# Altium PCB n21-evt.PcbDoc (part 2 of 3)
Units mm, origin at the board's own origin, x right, y up, seen from the top; angles counter-clockwise.
Board outline 50.8 x 103 mm, 4 copper layers (Top Layer, Mid Layer 3, Mid Layer 4, Bottom Layer), stack 1.58 mm thick; 89 components, 99 nets, 463 pads, 516 vias.
Unrouted connection lines stored in the file: 3.
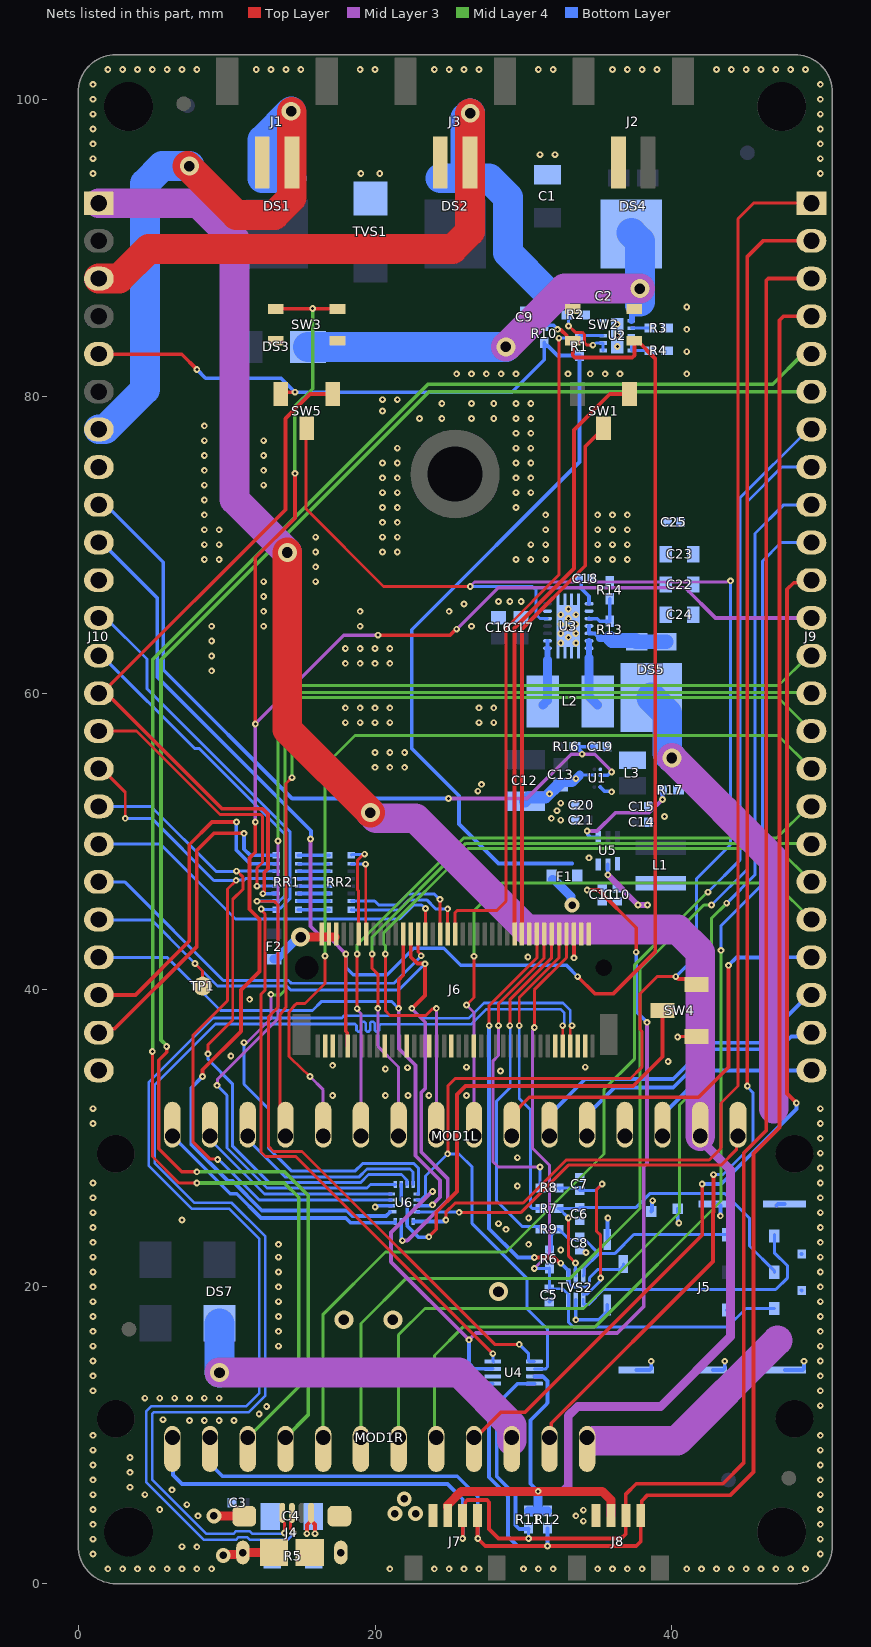
[diagram p4: the nets of this part, all layers, seen from the top]

## Via types
v1: diameter 0.45, hole 0.2, Top Layer to Bottom Layer, tented both sides, 484 vias
v2: diameter 1.27, hole 0.711, Top Layer to Bottom Layer, tented both sides, 25 vias
v3: diameter 1, hole 0.5, Top Layer to Bottom Layer, tented both sides, 6 vias
v4: diameter 1.27, hole 0.71, Top Layer to Bottom Layer, tented both sides, 1 vias

## Nets (pads, with @x,y where several pads share a name; then routed paths per layer and width w, separated by ;. In a path a pad name is that pad's centre, name@x,y a point inside that pad or via, vN(x,y) a via of type N, cw(c..) or ccw(c..) an arc to the next point about the centre after c; other vN are vias at no path point) (continued)
D_N: J4.2 J6.9 | length 85.2
  Top Layer w0.178: J4.2@13.75,4.775 13.75,4.24 13.903,4.087 v1(13.903,3.415) ; v1(32.639,37.592) 32.65,37.581 J6.9@32.65,36.225
  Bottom Layer w0.178: v1(13.903,3.415) 13.851,3.363 13.668,3.363 13.663,3.358 11.741,3.358 11.554,3.545 10.646,3.545 10.459,3.358 8.642,3.358 5,7 5,11.453 5.104,11.557 11.497,11.557 12.598,12.659 12.598,23.409 10.35,25.657 7.85,25.657 5.156,28.351 5.156,33.604 9.257,37.705 18.257,37.705 18.651,37.705 18.758,37.598 18.758,37.292 18.865,37.186 18.956,37.186 19.063,37.292 19.063,37.759 19.169,37.866 19.261,37.866 19.367,37.759 19.367,37.292 19.474,37.186 19.566,37.186 19.672,37.292 19.672,37.759 19.779,37.866 19.87,37.866 19.977,37.759 19.977,37.292 20.084,37.186 20.175,37.186 20.282,37.292 20.282,37.587 20.389,37.694 20.583,37.694 26.495,37.694 27.511,38.71 32.489,38.71 32.753,38.445 32.753,37.78 32.639,37.666 v1(32.639,37.592)
D_P: J4.3 J6.7 | length 85.2
  Top Layer w0.178: J4.3@14.4,4.775 14.4,4.24 14.31,4.15 14.31,3.684 14.503,3.491 v1(14.503,3.444) ; J6.7@33.15,36.225 33.15,37.394 33.274,37.518 v1(33.274,37.592)
  Bottom Layer w0.178: v1(14.503,3.444) 14.503,3.37 14.367,3.235 14.367,3.223 14.095,2.951 11.573,2.951 11.385,3.139 10.815,3.139 10.627,2.951 8.474,2.951 4.594,6.832 4.594,11.621 4.936,11.963 11.328,11.963 12.192,12.827 12.192,23.241 10.182,25.251 7.681,25.251 4.75,28.182 4.75,33.773 9.088,38.111 17.324,38.111 17.497,38.111 17.761,38.111 17.922,38.272 20.022,38.272 ; 20.023,38.271 22.975,38.271 23.146,38.1 26.326,38.1 27.342,39.116 32.657,39.116 33.16,38.613 33.16,37.78 33.274,37.666 v1(33.274,37.592)
DFU_SW: SW4.2 U6.6 U6.14 | length 33.1
  Top Layer w0.25: v1(23.622,23.368) 24.13,23.876 24.13,25.019 25.527,26.416 25.527,32.965 26.09,33.528 37.393,33.528 39.363,35.498 SW4.2@39.363,38.608
  Bottom Layer w0.25: U6.6@21.771,26.899 21.771,25.854 22.171,25.454 U6.14@22.171,24.409 22.171,24.095 22.921,23.345 23.599,23.345 v1(23.622,23.368)
EN_F_BAT: SW4.3 SW5.2 U3.12 U4.6 U6.10 | length 122
  Top Layer w0.2: SW5.2@15.4,77.844 15.367,77.811 15.367,72.39 20.574,67.183 v1(26.416,67.183) ; v1(24.892,28.956) 24.93,28.994 24.93,33.566 25.4,34.036 37.211,34.036 37.973,34.798 37.973,37.211 37.846,37.338 37.846,39.751 38.989,40.894 v1(40.259,40.894)
  Top Layer w0.25: v1(40.259,40.894) 40.42,40.733 41.288,40.733 SW4.3@41.663,40.358
  Mid Layer 3 w0.2: v1(26.416,67.183) 26.708,67.475 43.7,67.475 43.737,67.512 43.894,67.512 v1(43.942,67.56)
  Bottom Layer w0.2: U6.10@22.816,25.854 22.826,25.864 23.105,25.864 23.409,26.168 23.409,27.473 v1(24.892,28.956) 25.654,28.956 26.543,28.067 26.543,24.257 30.226,20.574 30.226,18.542 31.619,17.149 31.619,14.591 31.502,14.474 U4.6@30.742,14.474 ; v1(26.416,67.183) 30.617,67.183 30.861,66.939 30.861,65.278 31.123,65.016 U3.12@31.62,65.016 ; v1(40.259,40.894) 41.656,42.291 41.656,47.498 43.942,49.784 v1(43.942,67.56)
F_3V3: J7.3 J8.3 J10.1 MOD1L.2 R11.2 R12.2 U4.7 | length 150
  Top Layer w0.6: J7.3@24.883,5.151 24.883,5.284 25.823,6.223 v1(30.988,6.223) 35.306,6.223 35.9,5.629 J8.3@35.9,4.589
  Top Layer w2: v2(14.097,69.469) 14.097,57.531 v2(19.685,51.943)
  Mid Layer 3 w0.6: v1(30.988,6.223) 32.669,6.223 33.02,6.574 33.02,11.303 33.655,11.938 39.243,11.938 43.942,16.637 43.942,27.89 41.91,29.922 MOD1L.2@41.91,30.16
  Mid Layer 3 w2: J10.1@1.4,93 8.092,93 10.534,90.558 10.534,73.032 v2(14.097,69.469) ; v2(19.685,51.943) 20.066,51.562 22.733,51.562 30.226,44.069 40.386,44.069 41.91,42.545 MOD1L.2@41.91,30.16
  Bottom Layer w0.25: U4.7@30.742,13.974 30.752,13.964 31.316,13.964 31.619,13.661 31.619,12.188 31.577,12.146 31.577,12.102 30.48,11.005 30.48,6.731 v1(30.988,6.223)
  Bottom Layer w0.6: R11.2@30.353,4.893 30.988,4.893 ; v1(30.988,6.223) 30.988,4.893 ; R12.2@31.623,4.893 30.988,4.893
F_A0: J9.23 MOD1L.5 | length 18.8
  Bottom Layer w0.25: MOD1L.5@34.29,30.16 34.29,31.583 36.137,33.43 40.091,33.43 42.662,36 47.176,36 48.038,36.862 49.142,36.862 J9.23@49.4,37.12
F_A1: J9.22 MOD1L.6 | length 22.4
  Bottom Layer w0.25: MOD1L.6@31.75,30.16 31.75,31.583 34.167,34 40.096,34 42.545,36.449 45.989,36.449 49.2,39.66 J9.22@49.4,39.66
F_A2: J9.21 MOD1L.7 | length 30
  Top Layer w0.25: MOD1L.7@29.21,30.16 29.21,31.583 30.393,32.766 41.783,32.766 43.815,34.798 v1(43.815,41.656)
  Bottom Layer w0.25: v1(43.815,41.656) 44.35,42.191 46.634,42.191 46.643,42.2 J9.21@49.4,42.2
F_A3: J9.20 MOD1L.8 | length 40.1
  Top Layer w0.2: v1(26.162,38.989) 26.67,39.497 v1(26.67,42.269)
  Mid Layer 3 w0.2: v1(26.162,38.989) 26.67,38.481 MOD1L.8@26.67,30.16
  Mid Layer 4 w0.2: v1(26.67,42.269) 26.67,45.339 28.542,47.211 46.929,47.211 J9.20@49.4,44.74
F_A4: J9.19 MOD1L.9 | length 49.8
  Top Layer w0.2: v1(20.701,42.418) 20.701,38.598 21.017,38.282 23.423,38.282 23.85,38.709 24.082,38.709 v1(24.13,38.757)
  Mid Layer 3 w0.2: MOD1L.9@24.13,30.16 v1(24.13,38.757)
  Mid Layer 4 w0.2: v1(20.701,42.418) 20.701,42.976 20.59,43.087 20.59,43.857 26.263,49.53 47.15,49.53 J9.19@49.4,47.28
F_A5: J9.18 MOD1L.10 | length 46.4
  Top Layer w0.2: v1(19.812,42.418) 19.812,41.439 20.193,41.058 v1(20.193,38.757)
  Mid Layer 3 w0.2: v1(20.193,38.757) 20.193,36.212 21.59,34.815 MOD1L.10@21.59,30.16
  Mid Layer 4 w0.2: v1(19.812,42.418) 19.812,43.574 26.118,49.88 49.34,49.88 J9.18@49.4,49.82
F_AREF: J9.24 MOD1L.3 | length 12.7
  Bottom Layer w0.25: MOD1L.3@39.37,30.16 39.37,31.583 42.367,34.58 J9.24@49.4,34.58
F_B0: MOD1L.16 U6.16 | length 17.7
  Top Layer w0.25: MOD1L.16@6.35,30.16 MOD1L.16@6.459,30.269
  Bottom Layer w0.25: MOD1L.16@6.35,30.16 6.35,30.152 6.865,29.637 6.873,29.637 10.243,26.267 10.69,26.267 12.319,24.638 18.034,24.638 18.354,24.318 21.356,24.318 21.371,24.333 U6.16@21.371,24.409
F_B0_SW: J9.12 SW3.3 SW3.4 U6.1 | length 122.2
  Top Layer w0.25: v1(8.382,34.163) 8.382,34.616 10.975,37.209 10.975,40.003 12.213,41.241 12.213,44.768 11.549,45.432 11.549,48.887 11.938,49.276 v1(11.938,51.308) ; v1(11.938,57.912) 11.938,69.113 14.605,71.78 v1(14.605,74.803) ; SW3.4@13.325,85.875 13.337,85.887 15.787,85.887 v1(15.8,85.9) 15.813,85.887 17.462,85.887 SW3.3@17.475,85.875 ; v1(20.2,63.9) 25.051,63.9 v1@25.451,64.3
  Mid Layer 3 w0.25: v1(11.938,51.308) 11.938,57.938 17.9,63.9 v1(20.2,63.9) ; v1(25.5,64.3) 28.3,67.1 40.9,67.1 42.94,65.06 J9.12@49.4,65.06
  Mid Layer 4 w0.25: v1(14.605,74.803) 14.6,74.808 14.6,79.298 15.8,80.498 v1(15.8,85.9) ; v1@25.451,64.3 v1(25.5,64.3) ; J9.12@49.317,65.143 J9.12@49.4,65.06
  Bottom Layer w0.25: v1(8.382,34.163) 7.62,33.401 7.62,29.591 10.089,27.122 10.4,27.122 12.377,25.146 18.092,25.146 18.473,24.765 20.743,24.765 U6.1@21.02,25.042
F_BAT: DS5.3 MOD1R.1 | length 46.3
  Mid Layer 3 w2: MOD1R.1@34.74,9.628 40.362,9.628 47.117,16.383 ; v2(40.005,55.626) 46.863,48.768 46.863,32.004
  Bottom Layer w2: DS5.3@38.608,59.706 39.683,58.631 39.683,55.948 v2(40.005,55.626)
F_D5: J9.5 MOD1R.10 | length 115.1
  Top Layer w0.2: v1(5.004,35.848) 5.004,28.778 6.782,27 v1(8,27)
  Mid Layer 4 w0.25: v1(5.004,35.848) 5.035,35.879 5.035,62.259 23.575,80.8 46.795,80.8 48.835,82.84 J9.5@49.4,82.84 ; v1(8,27) 13.894,27 14.859,26.035 14.859,13.269 MOD1R.10@11.43,9.84
  Bottom Layer w0.25: MOD1R.10@11.43,9.84 MOD1R.10@11.531,9.84
F_D6: J9.6 MOD1R.9 | length 113.1
  Top Layer w0.2: J9.6@49.2,80.3 J9.6@49.4,80.3
  Top Layer w0.25: v1(5.969,36.195) 5.969,35.798 5.435,35.264 5.435,29.294 6.979,27.75 v1(8,27.75)
  Mid Layer 4 w0.25: v1(5.969,36.195) 5.969,36.249 5.588,36.63 5.588,62.247 23.641,80.3 J9.6@49.4,80.3 ; v1(8,27.75) 13.906,27.75 15.494,26.162 15.494,11.364 MOD1R.9@13.97,9.84
F_D9: J9.7 MOD1R.8 | length 86.6
  Top Layer w0.2: J9.7@49.2,77.76 J9.7@49.4,77.76
  Mid Layer 4 w0.2: MOD1R.8@16.51,9.84 16.51,18.161 20.701,22.352 28.829,22.352 35.433,28.956 35.433,33.304 37.465,35.336 37.465,41.656 42.4,46.591 v1(42.436,46.591)
  Bottom Layer w0.2: v1(42.436,46.591) 42.436,46.597 44.577,48.738 44.577,73.137 49.2,77.76 J9.7@49.4,77.76
F_D10: J9.8 MOD1R.7 | length 85.9
  Mid Layer 4 w0.2: MOD1R.7@19.05,9.84 19.05,17.526 22.098,20.574 33.147,20.574 37.846,25.273 37.846,41.415 42.147,45.716 42.668,45.716 v1(42.672,45.72)
  Bottom Layer w0.2: v1(42.672,45.72) 45.085,48.133 45.085,72.898 47.407,75.22 J9.8@49.4,75.22
F_D11: J9.9 MOD1R.6 | length 81.7
  Mid Layer 4 w0.2: MOD1R.6@21.59,9.84 21.59,16.764 23.368,18.542 34.042,18.542 40.509,25.009 40.509,32.253 42.673,34.417 42.673,44.832 v1(43.688,45.847)
  Bottom Layer w0.2: v1(43.688,45.847) 45.593,47.752 45.593,70.739 47.534,72.68 J9.9@49.4,72.68
F_D12: J9.10 MOD1R.5 | length 77.3
  Mid Layer 4 w0.2: MOD1R.5@24.13,9.84 24.003,9.967 24.003,15.367 25.941,17.305 34.831,17.305 43.307,25.781 v1(43.307,42.672)
  Bottom Layer w0.2: v1(43.307,42.672) 43.307,44.323 46.101,47.117 46.101,68.886 47.355,70.14 J9.10@49.4,70.14
F_D13: J9.11 MOD1R.4 | length 70.2
  Top Layer w0.25: MOD1R.4@26.67,9.84 26.771,9.84 28.488,11.557 30.099,11.557 42.037,23.495 v1(42.037,26.924) ; v1(48.387,32.385) 47.752,33.02 47.752,66.984 48.203,67.435 49.235,67.435 J9.11@49.4,67.6
  Mid Layer 4 w0.25: MOD1R.4@26.67,9.84 MOD1R.4@26.771,9.84
  Bottom Layer w0.25: v1(42.037,26.924) 43.329,26.924 48.387,31.982 v1(48.387,32.385)
F_EN: J9.2 MOD1R.2 | length 90.7
  Top Layer w0.2: MOD1R.2@31.75,9.84 MOD1R.2@31.879,9.969
  Top Layer w0.25: MOD1R.2@31.879,9.969 31.879,10.811 42.767,21.699 42.767,24.987 42.799,25.019 v1(42.799,27.559) ; v1(45.085,33.528) 45.085,89.408 46.137,90.46 J9.2@49.4,90.46
  Bottom Layer w0.2: MOD1R.2@31.75,9.84 MOD1R.2@31.856,9.946 ; v1(42.799,27.559) 43.434,27.559 45.466,29.591 45.466,33.079 45.085,33.46 v1(45.085,33.528)
F_MISO: J9.15 MOD1L.13 | length 65.8
  Top Layer w0.2: MOD1L.13@13.97,30.16 13.97,30.176 13.954,30.176 13.608,30.901 13.589,30.942 13.589,38.282 13.631,38.336 14,38.81 14,53.9 14.4,54.3 v1(14.412,54.3)
  Mid Layer 4 w0.2: MOD1L.13@13.97,30.16 MOD1L.13@14.101,30.291 ; v1(14.412,54.3) 14.4,54.312 14.4,59.2 14.9,59.7 47.14,59.7 J9.15@49.4,57.44
F_MOSI: J9.16 MOD1L.12 | length 61.8
  Top Layer w0.2: v1(15.621,34.163) 14.346,35.375 14.2,35.521 14.2,38.479 14.234,38.522 14.59,38.974 14.707,39.091 15.291,39.091 16.637,40.436 v1(16.637,42.291)
  Mid Layer 3 w0.2: v1(15.621,34.163) 16.51,33.274 MOD1L.12@16.51,30.16
  Mid Layer 4 w0.2: v1(16.637,42.291) 16.637,55.127 18.656,57.146 47.154,57.146 J9.16@49.4,54.9
F_NRST: MOD1L.1 U6.12 | length 24.3
  Top Layer w0.2: v1(25.672,25.019) 29.845,25.019 33.02,28.194 43.307,28.194 44.341,29.228 44.341,30.051 MOD1L.1@44.45,30.16
  Bottom Layer w0.2: U6.12@22.816,25.054 22.818,25.052 25.639,25.052 v1(25.672,25.019)
F_NRST_SW: J9.1 U6.13 | length 91.5
  Top Layer w0.2: v1(24.772,24.497) 24.772,25.026 25.4,25.654 29.985,25.654 32.875,28.544 42.514,28.544 43.307,29.337 43.307,32.385 44.45,33.528 44.45,91.948 45.502,93 J9.1@49.4,93
  Bottom Layer w0.25: U6.13@22.586,24.397 24.618,24.397 24.718,24.497 v1(24.772,24.497)
F_RX: MOD1L.14 U6.8 | length 13.6
  Bottom Layer w0.2: MOD1L.14@11.43,30.16 11.43,29.922 13.963,27.389 18.905,27.389 19.456,27.94 22.352,27.94 22.561,27.731 22.561,26.909 U6.8@22.571,26.899
F_RX_SW: J9.14 U6.9 | length 81.2
  Mid Layer 3 w0.2: v1(11.176,36.449) 11.224,36.497 11.41,36.497 12.987,38.074 12.987,39.696 v1(12.983,39.701)
  Mid Layer 4 w0.2: v1(12.983,39.701) 13.024,39.659 13.624,39.659 13.937,39.972 13.937,59.615 14.372,60.05 J9.14@49.33,60.05
  Bottom Layer w0.2: v1(11.176,36.449) 11.176,33.655 12.827,32.004 12.827,29.337 14.351,27.813 18.669,27.813 19.171,28.315 22.61,28.315 22.931,27.994 22.931,26.264 22.921,26.254 U6.9@22.816,26.254
F_SCK: J9.17 MOD1L.11 | length 47.5
  Top Layer w0.2: v1(18.796,38.736) v1(18.796,42.418)
  Mid Layer 3 w0.2: v1(18.796,38.736) 18.796,38.668 19.05,38.414 MOD1L.11@19.05,30.16
  Mid Layer 4 w0.2: v1(18.796,42.418) 18.796,43.053 25.973,50.23 47.07,50.23 49.2,52.36 J9.17@49.4,52.36
F_SCL: J7.1 J8.1 J9.4 MOD1R.11 R12.1 U4.1 | length 143.8
  Top Layer w0.25: J7.1@26.9,4.589 26.9,3.072 v1(26.924,3.048) 27.432,2.54 v1(31.623,2.54) 37.592,2.54 37.9,2.848 37.9,4.572 37.978,4.65 37.978,5.593 38.354,5.969 43.942,5.969 45.5,7.527 45.5,28.99 47.244,30.734 47.244,85.109 47.515,85.38 J9.4@49.4,85.38
  Bottom Layer w0.25: MOD1R.11@8.489,10.241 8.497,10.241 8.89,9.848 MOD1R.11@8.89,9.84 8.89,8.078 9.729,7.239 25.541,7.239 26.924,5.856 v1(26.924,3.048) ; U4.1@27.932,13.474 27.696,13.474 27.686,13.464 27.686,7.165 28.956,5.895 28.956,3.175 29.591,2.54 v1(31.623,2.54) R12.1@31.623,3.743
F_SDA: J7.2 J8.2 J9.3 MOD1R.12 R11.1 U4.8 | length 149.4
  Top Layer w0.25: v1(25.908,3.048) 25.904,3.052 25.904,4.585 J7.2@25.9,4.589 26.075,4.764 26.075,5.493 26.221,5.639 27.54,5.639 27.686,5.493 27.686,3.683 28.321,3.048 v1(30.353,3.048) 36.576,3.048 36.9,3.372 J8.2@36.9,4.589 36.9,6.039 37.592,6.731 43.434,6.731 44.831,8.128 44.831,28.996 46.347,30.512 46.347,87.774 46.493,87.92 J9.3@49.4,87.92
  Bottom Layer w0.2: v1(30.353,3.048) R11.1@30.353,3.743
  Bottom Layer w0.25: MOD1R.12@6.35,9.84 6.398,9.792 6.398,7.318 7.004,6.712 24.892,6.712 25.908,5.696 v1(25.908,3.048) ; R11.1@30.338,3.683 29.718,3.683 29.464,3.937 29.464,5.953 28.194,7.223 28.194,12.065 29.603,13.474 U4.8@30.742,13.474
F_TX: MOD1L.15 U6.4 | length 14
  Bottom Layer w0.2: MOD1L.15@8.89,30.16 8.89,29.922 12.558,26.254 U6.4@21.126,26.254
F_TX_SW: J9.13 U6.5 | length 81.9
  Mid Layer 3 w0.2: v1(9.356,33.575) 9.404,33.623 9.404,33.996 13.462,38.054 v1(13.462,50.038)
  Mid Layer 4 w0.2: v1(13.462,50.038) 13.462,59.635 14.327,60.5 47.18,60.5 49.2,62.52 J9.13@49.4,62.52
  Bottom Layer w0.2: v1(9.356,33.575) 10.033,32.898 10.033,29.35 12.719,26.664 19.453,26.664 19.688,26.899 U6.5@21.371,26.899
F_VUSB: DS7.1 MOD1R.3 | length 25.5
  Mid Layer 3 w2: v2(9.525,14.224) 25.654,14.224 29.21,10.668 MOD1R.3@29.21,9.628
  Bottom Layer w1: MOD1R.3@29.191,9.859 MOD1R.3@29.21,9.84
  Bottom Layer w2: v2(9.525,14.224) DS7.1@9.525,17.535
GND: C1.2 C2.1 C3.2 C4.2 C5.1 C6.1 C7.1 C8.1 C9.1 C10.2 C11.1 C12.1 C13.1 C14.1 C15.1 C16.1 C17.1 C18.1 C19.2 C20.1 C21.2 C22.2 C23.2 C24.2 C25.1 J1.1 J2.1 J3.1 J4.5 J5.5 J5.8 J5.9 J5.10 J5.11 J5.12 J5.14 J5.15 J5.16 J5.17 J5.18 J5.19 J6.3 J6.5 J6.6 J6.11 J6.18 J6.33 J6.39 J6.45 J6.51 J6.57 J6.71 J6.73 J7.4 J8.4 J10.8 J10.11 J10.24 MOD1L.4 R3.1 R4.1 R5.2 R14.1 R17.1 SW2.3 SW2.4 SW3.1 SW3.2 SW4.1 TVS1.2 TVS2.2 U1.B2 U1.D1 U2.3 U2.11 U3.2 U3.13 U3.15 U4.2 U5.3 U6.2 | length 27.5
  Top Layer w0.2: v1(40.386,36.83) 40.414,36.858 SW4.1@41.663,36.858
  Top Layer w0.25: v1(15.405,3.375) 15.416,3.385 15.416,3.975 J4.5@15.7,4.259 ; J4.5@15.724,4.799 J4.5@15.7,4.775 J4.5@15.7,4.259 ; v1(15.964,3.375) 15.964,3.996 J4.5@15.7,4.259 ; v3@21.971,5.603 v3(21.971,5.715) ; v3(22.733,4.728) v3@22.733,4.841 ; v1(33.401,42.164) J6.6@33.4,43.775
  Bottom Layer w0.2: 33.792,54.473 33.801,54.483 U1.B2@34.798,54.483
  Bottom Layer w0.25: v1(20.012,25.379) 20.066,25.379 20.141,25.454 U6.2@21.126,25.454 ; C5.1@31.75,18.991 C5.1@31.925,19.166 ; TVS2.2@33.528,19.134 v1(33.528,17.78) 35.083,17.78 35.508,18.205 35.525,18.205 35.65,18.33 J5.14@35.65,18.78 ; U1.D1@35.179,53.664 35.465,53.378 35.903,53.378 v1(35.941,53.34) ; J5.12@35.65,23.18 35.669,23.199 35.669,24.62 v1(35.687,24.638) ; J5.15@37.6,14.4 38.508,14.4 38.608,14.5 v1(38.608,14.986) ; J5.11@38.6,25.075 38.662,25.137 38.662,25.762 v1(38.7,25.8) ; J5.10@40.4,25.25 40.386,25.236 40.386,24.438 40.471,24.353 v1(40.471,24.299) ; J5.16@42.75,14.4 43.461,14.4 43.561,14.5 v1(43.561,14.986) ; J5.9@42.75,25.575 43.167,25.575 43.267,25.475 v1(43.267,24.779) ; J5.5@43.705,18.415 J5.5@43.73,18.44 ; J5.8@47.047,25.475 47.147,25.575 J5.8@47.6,25.575 ; J5.17@47.6,14.4 48.795,14.4 48.895,14.5 v1(48.895,14.986) ; J5.18@48.737,19.773 J5.18@48.75,19.76 ; J5.19@48.738,22.213 J5.19@48.75,22.2
  Bottom Layer w0.6: C13.1@32.512,53.808 32.662,53.958 33.276,53.958 33.792,54.473
  Bottom Layer w0.8: C12.1@30.099,52.702 30.349,52.952 31.479,52.952 32.462,53.935 C13.1@32.512,53.935
  other v1: 2,1 3,1 4,1 5,1 6,1 7,1 8,1 9,1 21,1 24,1 25,1 26,1 27,1 30,1 31,1 32,1 35,1 36,1 37,1 38,1 41,1 42,1 43,1 44,1 45,1 46,1 47,1 48,1 49,1 1,2 50,2 7,2.5 8,2.487 1,3 50,3 1,4 50,4 34.03,4.214 8.078,4.578 33.528,4.572 34.036,4.953 1,5 5.5,5 50,5 7.328,5.328 1,6 4.5,6 50,6 6.328,6.328 3.5,6.5 1,7 50,7 3.5,7.5 1,8 50,8 3.5,8.5 1,9 50,9 1,10 50,10 7.5,11 8.5,11 9.5,11 10.5,11 5.715,11.049 12.192,11.43 12.7,11.938 50,12 4.5,12.5 5.5,12.5 6.5,12.5 7.5,12.5 8.5,12.5 9.5,12.5 1,13 50,13 1,14 50,14 1,15 50,15 1,16 13.5,16 50,16 1,17 13.5,17 50,17 1,18 13.5,18 50,18 1,19 13.5,19 50,19 1,20 13.5,20 50,20 1,21 13.5,21 50,21 1,22 13.5,22 50,22 34.208,22.307 32.512,22.479 13.5,22.86 30.353,22.86 1,23 50,23 28.829,23.876 1,24 50,24 28.321,24.257 7,24.5 30.353,24.638 1,25 50,25 1,26 50,26 29.591,26.797 1,27 50,27 50,28 29.591,28.702 50,29 50,30 1,31 50,31 1,32 50,32 17.145,32.893 20.701,32.893 22.225,32.893 23.625,32.893 26.162,32.893 28.448,34.544 20.701,34.671 22.189,34.762 26.162,34.798 34.163,34.798 17.145,34.925 39.751,35.179 10.292,35.555 11.557,39.37 30.297,42.22 34.418,48.895 32.512,51.435 31.877,51.562 39.497,51.689 32.258,52.07 32.512,52.578 31.75,53.213 26.924,53.392 27.178,53.848 33.528,54.229 20,55 21,55 22,55 20,56 21,56 22,56 18,58 19,58 20,58 21,58 27,58 28,58 18,59 19,59 20,59 21,59 27,59 28,59 9,61.5 18,62 19,62 20,62 21,62 9,62.5 18,63 19,63 20,63 21,63 32.512,63.373 33.528,63.373 9,63.5 33.02,63.754 32.512,64.008 33.528,64.008 33.02,64.389 9,64.5 12.5,64.5 19,64.5 26.5,64.5 32.512,64.643 33.528,64.643 33.02,65.024 32.512,65.278 33.528,65.278 12.5,65.5 19,65.5 25,65.5 33.02,65.659 26,66 28.321,66.167 29.083,66.167 29.845,66.167 12.5,66.5 12.5,67.5 16,67.5 16,68.5 8.5,69 9.5,69 29.5,69 30.5,69 31.5,69 35,69 36,69 37,69 16,69.5 20.5,69.5 21.5,69.5 8.5,70 9.5,70 30.5,70 31.5,70 35,70 36,70 37,70 16,70.5 20.5,70.5 21.5,70.5 8.5,71 9.5,71 31.5,71 35,71 36,71 37,71 20.5,71.5 21.5,71.5 8.5,72 31.5,72 35,72 36,72 37,72 20.5,72.5 21.5,72.5 29.5,72.5 8.5,73 20.5,73.5 21.5,73.5 29.5,73.5 30.5,73.5 8.5,74 12.5,74 20.5,74.5 21.5,74.5 29.5,74.5 30.5,74.5 8.5,75 12.5,75 20.5,75.5 21.5,75.5 29.5,75.5 30.5,75.5 8.5,76 12.5,76 21.5,76.5 29.5,76.5 30.5,76.5 8.5,77 12.5,77 29.5,77.5 30.5,77.5 8.5,78 23,78.5 24.5,78.5 26.5,78.5 28,78.5 29.5,78.5 30.5,78.5 20.5,79 24.5,79.5 26.5,79.5 28,79.5 29.5,79.5 30.5,79.5 20.5,79.764 21.5,79.764 25.5,81.5 26.5,81.5 27.5,81.5 28.5,81.5 29.5,81.5 33,81.5 34.5,81.5 35.5,81.5 36.5,81.5 41,81.5 41,83 36.322,83.34 36.322,84.074 41,84.5 36.322,84.836 41,86 1,95 19.05,94.996 20.32,94.996 50,95 1,96 50,96 31.115,96.266 32.131,96.266 1,97 50,97 1,98 50,98 1,99 50,99 1,100 50,100 1,101 50,101 2,102 3,102 4,102 5,102 6,102 7,102 8,102 12,102 13,102 14,102 15,102 19,102 20,102 24,102 25,102 26,102 27,102 31,102 32,102 36,102 37,102 38,102 39,102 43,102 44,102 45,102 46,102 47,102 48,102 49,102
  other v2: 17.907,17.78 21.209,17.78 28.321,19.68
  other v3: 21.336,4.728
N_ATTN: J10.14 RR1.3 SW5.1 | length 48.9
  Top Layer w0.25: J10.14@1.4,59.98 J10.14@1.6,59.98 ; v1(12.446,46.482) 12.446,46.536 12.549,46.639 12.549,47.924 12.79,48.164 12.79,51.854 12.447,52.197 9.703,52.197 1.92,59.98 J10.14@1.6,59.98 ; SW5.1@17.15,80.144 15.628,80.144 13.97,78.486 13.97,72.35 J10.14@1.6,59.98
  Bottom Layer w0.25: J10.14@1.4,59.98 J10.14@1.6,59.98 ; v1(12.446,46.482) 13.046,46.482 13.058,46.494 RR1.3@13.347,46.494
N_AUX1: J6.46 J10.18 | length 26.3
  Top Layer w0.2: v1(23.397,45.48) 23.398,45.479 23.398,43.777 J6.46@23.4,43.775
  Bottom Layer w0.2: J10.18@1.4,49.82 5.552,49.82 10.596,44.776 21.662,44.776 22.606,45.72 23.146,45.72 23.386,45.48 v1(23.397,45.48)
N_AUX2: J6.48 J10.19 | length 26.9
  Top Layer w0.2: J6.48@22.9,43.775 22.9,42.573 23.109,42.364 v1(23.109,42.302)
  Bottom Layer w0.2: J10.19@1.4,47.28 3.139,47.28 9.779,40.64 14.174,40.64 14.364,40.45 21.273,40.45 23.109,42.286 v1(23.109,42.302)
N_AUX3: J6.50 J10.20 TP1.1 U6.15 | length 52.2
  Top Layer w0.2: J10.20@1.4,44.74 J10.20@1.418,44.722 ; v1(7.874,41.783) 8.382,41.275 TP1.1@8.382,40.259
  Top Layer w0.25: J6.50@22.4,43.775 22.4,42.243 22.857,41.786 23.365,41.786 23.368,41.783 23.368,39.624 22.501,38.757 v1(22.479,38.757)
  Mid Layer 3 w0.25: v1(21.844,23.114) 21.855,23.125 22.181,23.125 24.892,25.836 24.892,27.305 23.125,29.072 23.125,33.103 23.387,33.365 23.387,37.827 22.479,38.735 v1(22.479,38.757)
  Bottom Layer w0.2: J10.20@1.4,44.74 1.436,44.704 4.953,44.704 7.399,42.258 9.398,40.259 14.06,40.259 14.314,40.005 21.612,40.005 v1(23.368,41.761)
  Bottom Layer w0.25: U6.15@21.771,24.409 21.771,23.241 21.844,23.168 v1(21.844,23.114)
N_AUX4: J6.52 J10.21 U6.11 | length 43
  Top Layer w0.25: v1(21.59,38.757) 21.59,40.672 21.9,40.982 J6.52@21.9,43.775
  Mid Layer 3 w0.25: v1(21.59,38.757) 21.59,36.068 22.725,34.933 22.725,28.837 24.384,27.178 24.384,26.035 v1(23.876,25.527)
  Bottom Layer w0.2: J10.21@1.4,42.2 5.995,42.2 9.587,38.608 15.784,38.608 16.408,39.232 21.115,39.232 v1(21.59,38.757)
  Bottom Layer w0.25: U6.11@22.816,25.454 23.749,25.454 23.822,25.527 v1(23.876,25.527)
N_AUX5: J6.38 R1.1 U2.8 | length 47.6
  Top Layer w0.2: J6.38@25.4,43.775 25.4,45.222 25.517,45.339 28.185,45.339 28.829,45.983 28.829,64.389 32.385,67.945 v1(32.385,83.906)
  Bottom Layer w0.2: v1(32.385,83.906) 33.614,83.906 33.782,84.074 U2.8@35.372,84.074
N_AUX_EN: J10.15 RR1.4 | length 19.6
  Top Layer w0.2: J10.15@1.4,57.44 3.93,57.44 9.554,51.816 12.297,51.816 12.415,51.699 12.415,48.591 12.049,48.226 v1(12.049,46.986)
  Bottom Layer w0.2: v1(12.049,46.986) 12.053,46.99 13.343,46.99 RR1.4@13.347,46.994
N_AUX_RX: J10.16 RR1.5 U6.3 | length 50.1
  Top Layer w0.2: J10.16@1.479,54.821 J10.16@1.4,54.9 1.6,54.9 3.175,53.325 v1(3.175,51.562) ; v1(9.398,28.575) 9.35,28.623 8.876,28.623 7.726,29.772 7.726,36.936 10.068,39.278 10.068,46.793 10.646,47.371 v1(10.646,47.387)
  Bottom Layer w0.2: v1(3.175,51.562) 4.953,51.562 9.144,47.371 10.63,47.371 v1(10.646,47.387) ; v1(9.398,28.575) 9.466,28.575 9.591,28.45 9.603,28.45 12.199,25.854 U6.3@21.126,25.854 ; v1@10.671,47.394 11.171,47.394 11.271,47.494 RR1.5@13.347,47.494
N_AUX_TX: J10.17 RR1.6 U6.7 | length 47.6
  Top Layer w0.2: v1(8.754,35.696) 8.753,35.697 8.753,36.312 10.418,37.977 10.418,46.105 11.121,46.808 11.121,47.584 10.699,48.006 v1(10.668,48.006)
  Bottom Layer w0.2: J10.17@1.4,52.36 4.917,52.36 9.283,47.994 10.656,47.994 v1(10.668,48.006) 10.674,48 13.341,48 RR1.6@13.347,47.994 ; v1(8.754,35.696) 8.763,35.687 8.763,35.306 10.414,33.655 10.414,29.464 12.839,27.039 19.05,27.039 19.57,27.559 21.79,27.559 22.161,27.188 22.161,26.909 U6.7@22.171,26.899
N_EN: C19.1 J10.9 R16.1 U1.B1 | length 51.6
  Top Layer w0.25: v1(24.95,52.892) v1@24.988,52.854
  Mid Layer 3 w0.25: v1(24.95,52.892) 30.226,52.892 33.214,55.88 v1@33.976,55.88 ; v1@34.006,55.88 v1@33.976,55.88 ; v1@35.941,54.688 35.941,54.737 34.798,55.88 v1@33.976,55.88
  Bottom Layer w0.25: J10.9@1.4,72.68 1.869,72.68 5.734,68.815 5.734,61.576 14.418,52.892 v1(24.95,52.892) ; R16.1@33.468,56.388 R16.1@33.543,56.388 ; v1@33.976,55.88 33.938,55.918 33.938,55.993 R16.1@33.543,56.388 ; C19.1@34.739,56.388 R16.1@33.543,56.388 ; U1.B1@35.179,54.464 35.676,54.464 35.9,54.688 v1@35.941,54.688
  other v1: 35.941,54.686 33.96,55.88
N_NRST: C9.2 J6.67 J10.10 R10.1 SW2.1 SW2.2 | length 118.3
  Top Layer w0.25: v1(18.034,42.418) 18.034,37.211 18.125,37.12 18.125,36.25 J6.67@18.15,36.225 ; v1(32.299,84.5) 32.337,84.462 32.537,84.462 32.925,84.073 32.925,83.925 33.125,83.725 SW2.2@33.325,83.725 33.325,82.746 33.471,82.6 37.329,82.6 37.475,82.746 SW2.1@37.475,83.725 37.675,83.725 38.87,82.53 38.87,42.553 36.068,39.751 34.798,39.751 v1(33.655,40.894)
  Mid Layer 3 w0.25: v1(15.654,50.165) 15.654,44.29 16.571,43.373 17.079,43.373 v1(18.034,42.418)
  Bottom Layer w0.25: J10.10@1.4,70.14 1.6,70.14 5.334,66.406 5.334,61.087 15.692,50.729 15.692,50.203 v1(15.654,50.165) ; v1(18.034,42.418) 18.034,41.529 18.542,41.021 20.828,41.021 22.609,42.802 24.635,42.802 25.781,41.656 32.893,41.656 v1(33.655,40.894) ; C9.2@30.12,84.88 C9.2@30.1,84.86 31.315,84.86 R10.1@31.4,84.775 ; R10.1@31.425,84.8 R10.1@31.4,84.775 ; v1(32.299,84.5) v1(32.299,84.5) 32.025,84.775 R10.1@31.4,84.775
N_RX: J10.22 RR1.7 | length 22.9
  Top Layer w0.25: J10.22@1.4,39.66 3.86,39.66 7.493,43.293 7.493,49.784 9.017,51.308 v1(10.668,51.308)
  Bottom Layer w0.25: v1(10.668,51.308) 10.646,51.286 10.646,49.425 11.577,48.494 RR1.7@13.347,48.494
N_SCL: J10.12 RR1.1 U4.4 | length 65.2
  Top Layer w0.2: v1(12.337,45.448) 12.337,45.38 12.588,45.129 12.588,39.98 12.319,39.711 12.319,29.083 12.63,28.772 14.662,28.772 14.721,28.713 v1(27.94,15.494)
  Bottom Layer w0.2: J10.12@1.4,65.06 1.869,65.06 4.638,62.291 4.638,60.282 14.287,50.634 14.287,46.17 13.611,45.494 13.434,45.494 RR1.1@13.347,45.407 13.326,45.427 12.358,45.427 v1(12.337,45.448) ; v1(27.94,15.494) 27.94,14.974 U4.4@27.975,14.939
N_SDA: J10.13 RR1.2 U4.5 | length 65.9
  Top Layer w0.2: v1(12.049,45.974) 13.218,45.974 13.462,45.73 13.462,38.836 12.827,38.201 12.827,29.464 13.169,29.122 15.074,29.122 28.067,16.129 v1(29.718,16.129)
  Bottom Layer w0.2: J10.13@1.4,62.52 1.6,62.52 7.844,56.276 8.15,56.276 13.937,50.489 13.937,46.355 13.601,46.019 13.372,46.019 13.337,45.984 12.059,45.984 v1(12.049,45.974) ; v1(29.718,16.129) 30.353,15.494 30.353,15.009 30.388,14.974 U4.5@30.742,14.974
N_TX: J10.23 RR1.8 | length 22.5
  Top Layer w0.25: J10.23@1.4,37.12 1.658,37.378 2.453,37.378 8.001,42.926 8.001,49.403 9.144,50.546 v1(11.176,50.546)
  Bottom Layer w0.25: v1(11.176,50.546) 11.176,49.482 11.576,49.081 RR1.8@13.347,49.081
N_VIO: C10.1 C11.2 F1.1 J10.5 R1.2 R10.2 SW5.3 U4.3 U5.1 | length 142.8
  Top Layer w0.25: J10.5@1.4,82.84 1.418,82.822 6.978,82.822 v1(8,81.8) ; SW5.3@13.65,80.144 13.77,80.264 v1(14.605,80.264) ; v1(34.29,46.736) 35.052,46.736 37.592,44.196 v1(37.592,42.545)
  Mid Layer 3 w0.25: v1(23.884,26.416) 23.837,26.416 21.082,23.661 21.082,21.68 v1(26.334,16.428) 26.797,16.891 36.322,16.891 38.105,18.674 38.105,28.113 38.321,28.329 v1(38.321,37.822)
  Bottom Layer w0.25: v1(8,81.8) 8,81.789 8.589,81.2 13.669,81.2 v1(14.605,80.264) 29.21,80.264 31.4,82.454 R10.2@31.4,83.55 ; v1(26.334,16.428) 26.334,14.833 26.689,14.478 U4.3@27.932,14.478 ; R10.2@31.4,83.625 R10.2@31.4,83.55 ; 33.274,48.514 28.321,48.514 25.654,51.181 25.654,53.086 22.479,56.261 22.479,64.262 33.782,75.565 R1.2@33.782,82.737 32.288,82.737 31.65,83.375 31.575,83.375 R10.2@31.4,83.55 ; v1(37.592,42.545) 37.592,38.551 v1(38.321,37.822)
NetC4_1: C4.1 J4.S R5.1 | length 5.6
  Top Layer w0.6: v3(9.144,4.572) 9.155,4.561 11.189,4.561 J4.S@11.2,4.55 ; v3(9.779,1.905) 9.856,1.982 10.982,1.982 J4.S@11.1,2.1 J4.S@13.2,2.1
NetC6_2: C6.2 J5.2 R7.2 TVS2.5 | length 23.3
  Top Layer w0.2: v1(33.02,24.638) 33.02,22.098 v1(33.51,21.608)
  Bottom Layer w0.2: R7.2@32.325,25.273 R7.2@32.4,25.273 ; v1(33.02,24.638) 33.02,24.653 R7.2@32.4,25.273 ; v1(33.51,21.608) 33.519,21.599 33.519,20.753 TVS2.5@33.528,20.744 ; J5.2@46.9,20.98 46.9,21.08 45.227,22.753 45.227,24.627 43.579,26.275 38.503,26.275 37.56,25.332 C6.2@33.782,25.332 33.723,25.273 R7.2@32.4,25.273
NetC7_2: C7.2 J5.3 R8.2 TVS2.1 | length 29.8
  Top Layer w0.2: v1(35.2,20.6) 35.2,23.468 34.925,23.743 34.925,26.543 v1(35.306,26.924)
  Bottom Layer w0.2: R8.2@32.443,26.552 R8.2@32.325,26.67 33.596,26.67 C7.2@33.782,26.484 34.866,26.484 v1(35.306,26.924) ; TVS2.1@34.028,19.134 34.028,18.846 34.078,18.796 34.362,18.796 35.378,19.812 46.99,19.812 47.796,20.618 47.796,21.396 46.9,22.292 J5.3@46.9,23.42 J5.3@46.9,23.52 ; TVS2.1@34.028,19.479 34.078,19.529 34.307,19.529 35.152,20.375 35.152,20.552 v1(35.2,20.6)
NetC8_2: C8.2 J5.7 R6.1 R9.2 TVS2.6 | length 16.3
  Bottom Layer w0.2: R9.2@32.325,23.876 32.4,23.876 33.103,23.173 C8.2@33.782,23.173 ; C8.2@33.738,23.241 33.798,23.182 34.127,23.182 35.079,22.23 ; TVS2.6@34.028,20.744 34.078,20.794 34.078,21.229 35.079,22.23 ; J5.7@43.73,23.52 37.436,23.52 36.146,22.23 35.079,22.23
  Bottom Layer w0.25: R6.1@31.75,22.419 31.882,22.551 31.882,23.508 R9.2@32.237,23.863
NetC18_2: C18.2 U3.1 | length 2
  Bottom Layer w0.25: C18.2@33.723,67.691 33.898,67.516 33.898,67.043 34.42,66.521 U3.1@34.42,66.016 34.363,66.016 U3.1@34.358,66.021
NetC22_1: C22.1 C23.1 C24.1 C25.2 DS5.1 DS5.2 R13.2 U3.4 U3.5 | length 5.9
  Bottom Layer w0.25: U3.4@34.42,64.516 U3.5@34.42,64.016 34.425,64.011 34.815,64.011 35.139,63.687
  Bottom Layer w0.5: 35.139,63.687 R13.2@35.814,63.687
  Bottom Layer w1: R13.2@35.814,63.687 35.97,63.531 37.548,63.531 DS5.2@37.623,63.456 DS5.1@39.593,63.456
NetDS3_2: DS3.2 DS4.3 U2.1 | length 30
  Mid Layer 3 w2: v2(28.821,83.32) 28.837,83.32 32.766,87.249 v2(37.846,87.249)
  Bottom Layer w0.4: U2.1@37.272,85.074 37.322,85.124 37.322,85.582 37.465,85.725 ; v2@37.846,87.014 v2(37.846,87.249)
  Bottom Layer w1.5: 37.592,86.106 37.846,86.36
  Bottom Layer w2: DS3.2@15.485,83.312 28.812,83.312 v2(28.821,83.32) ; DS4.3@37.273,91 37.846,90.427 v2(37.846,87.249) ; 37.846,86.36 v2@37.846,87.014
NetF2_2: F2.2 J6.70 J6.72 J6.74 | length 4.6
  Top Layer w0.6: v2(14.986,43.561) 16.25,43.561 ; J6.74@16.4,43.561 J6.70@17.296,43.561
  Bottom Layer w0.6: F2.2@13.208,42.076 13.358,42.076 14.843,43.561 v2(14.986,43.561)
NetJ6_20: J6.20 SW1.2 | length 36.3
  Top Layer w0.25: J6.20@29.9,43.775 29.9,64.317 34.163,68.58 34.163,76.607 SW1.2@35.4,77.844
NetJ6_22: J6.22 SW1.1 | length 40.4
  Top Layer w0.25: J6.22@29.4,43.775 29.4,64.383 33.401,68.384 33.401,77.724 35.821,80.144 SW1.1@37.15,80.144
NetJ6_40: J6.40 RR2.16 | length 8.7
  Top Layer w0.2: v1(24.892,45.466) 24.896,45.462 24.896,43.779 J6.40@24.9,43.775
  Bottom Layer w0.2: RR2.16@18.403,45.407 18.428,45.381 21.619,45.381 22.308,46.07 23.479,46.07 24.083,45.466 v1(24.892,45.466)
NetJ6_42: J6.42 RR2.15 | length 8.9
  Top Layer w0.2: v1(24.384,46.101) 24.392,46.093 24.392,43.783 J6.42@24.4,43.775
  Bottom Layer w0.2: RR2.15@18.403,45.994 19.981,45.994 20.244,45.731 21.474,45.731 22.201,46.458 23.999,46.458 24.356,46.101 v1(24.384,46.101)
NetL1_1: L1.1 U5.2 | length 4.2
  Mid Layer 3 w0.4: v1(35.687,47.755) 35.687,47.752 v1(37.719,45.72) v1(38.354,45.72)
  Bottom Layer w0.25: v1(35.687,47.755) U5.2@35.687,48.462
NetL2_1: L2.1 U3.6 U3.7 | length 4.6
  Bottom Layer w0.4: 34.42,62.354 U3.7@34.42,63.016 U3.6@34.42,63.516
  Bottom Layer w0.6: 34.42,62.354 34.42,59.759 L2.1@34.997,59.182
NetL2_2: L2.2 U3.8 U3.9 | length 4.5
  Bottom Layer w0.25: U3.8@31.62,63.016 U3.9@31.62,63.516
  Bottom Layer w0.4: 31.62,62.227 U3.8@31.62,63.016
  Bottom Layer w0.6: L2.2@31.297,59.182 31.62,59.505 31.62,62.227
NetL3_2: L3.2 U1.A1
NetR2_1: R2.1 U2.6 U2.7 | length 4.5
  Top Layer w0.2: v1(33.034,84.723) 33.072,84.723 33.495,84.3 33.954,84.3 34.107,84.146 34.107,83.593 34.261,83.439 v1(34.671,83.439)
  Bottom Layer w0.2: R2.1@32.953,85.471 33.034,85.39 v1(33.034,84.723) ; v1(34.671,83.439) 34.739,83.439 34.874,83.574 U2.7@35.372,83.574 U2.6@35.372,83.074
NetR3_2: R3.2 U2.2 | length 1.4
  Bottom Layer w0.2: U2.2@37.28,84.582 R3.2@38.668,84.582
NetR4_2: R4.2 U2.4 U2.5 | length 1.8
  Bottom Layer w0.2: U2.4@37.272,83.574 U2.5@37.272,83.074 R4.2@38.541,83.074
NetR13_1: R13.1 R14.2 U3.3 | length 3
  Bottom Layer w0.25: U3.3@34.42,65.016 34.425,65.011 34.965,65.011 35.139,64.837 R13.1@35.814,64.837 R14.2@35.814,66.354
NetR17_2: R17.2 U5.4 | length 7.7
  Mid Layer 3 w0.25: v1(34.29,50.705) 34.957,50.705 36.195,51.943 38.481,51.943 v1(39.37,52.832)
  Bottom Layer w0.25: v1(34.29,50.705) 34.328,50.667 34.328,50.471 34.508,50.292 U5.4@35.037,50.292 ; R17.2@39.303,53.467 39.37,53.4 v1(39.37,52.832)
NetRR1_9: RR1.9 RR2.8 | length 2.1
  Bottom Layer w0.25: RR1.9@14.847,49.081 RR2.8@16.903,49.081
NetRR1_10: RR1.10 RR2.7 | length 2.1
  Bottom Layer w0.2: RR1.10@14.847,48.494 RR2.7@16.903,48.494
NetRR1_11: RR1.11 RR2.6 | length 2.1
  Bottom Layer w0.25: RR1.11@14.847,47.994 RR2.6@16.903,47.994
NetRR1_12: RR1.12 RR2.5 | length 2.1
  Bottom Layer w0.25: RR1.12@14.847,47.494 RR2.5@16.903,47.494
NetRR1_13: RR1.13 RR2.4 | length 2.1
  Bottom Layer w0.25: RR1.13@14.847,46.994 RR2.4@16.903,46.994
NetRR1_14: RR1.14 RR2.3 | length 2.1
  Bottom Layer w0.25: RR1.14@14.847,46.494 RR2.3@16.903,46.494
NetRR1_15: RR1.15 RR2.2 | length 2.1
  Bottom Layer w0.25: RR1.15@14.847,45.994 RR2.2@16.903,45.994
NetRR1_16: RR1.16 RR2.1 | length 2.1
  Bottom Layer w0.25: RR1.16@14.847,45.407 RR2.1@16.903,45.407
RX_P: J6.62 RR2.10 | length 5.7
  Top Layer w0.2: v1(19.354,48.469) 19.377,48.446 19.377,43.798 J6.62@19.4,43.775
  Bottom Layer w0.2: RR2.10@18.403,48.494 18.428,48.469 v1(19.354,48.469)
SIM_CLK: J6.14 R8.1 | length 21.3
  Top Layer w0.2: v1(28.321,37.592) 28.321,39.077 31.4,42.156 J6.14@31.4,43.53
  Mid Layer 3 w0.2: v1(28.321,37.592) 28.321,35.579 27.94,35.198 27.94,28.448 28.321,28.067 v1(31.115,28.067)
  Bottom Layer w0.2: v1(31.115,28.067) 31.115,26.73 R8.1@31.175,26.67
SIM_IO: J6.12 R9.1 | length 23.2
  Top Layer w0.2: v1(29.083,37.592) 29.083,39.344 31.9,42.161 J6.12@31.9,43.688
  Bottom Layer w0.2: v1(29.083,37.592) 29.11,37.565 29.11,33.428 28.194,32.512 28.194,25.781 29.899,24.076 30.975,24.076 R9.1@31.175,23.876
SIM_NPRESENT: J5.13 J6.16 TVS2.4 | length 33.5
  Top Layer w0.2: v1(27.686,37.592) 27.686,38.937 30.9,42.151 30.9,43.912 J6.16@30.861,43.951
  Top Layer w0.25: v1(30.734,21.971) 32.077,21.971 32.458,21.59 v1(32.512,21.59)
  Bottom Layer w0.2: TVS2.4@33.028,20.744 33.078,20.694 33.078,20.195 33.274,19.999 34.282,19.999 34.45,20.167 34.45,20.607 35.004,21.161 36.5,21.161 36.725,21.386 J5.13@36.725,21.53
  Bottom Layer w0.25: v1(27.686,37.592) 27.686,23.918 29.633,21.971 v1(30.734,21.971) ; v1(32.512,21.59) 32.527,21.59 33.028,21.089 TVS2.4@33.028,20.744
SIM_RST: J6.10 R7.1 | length 20.5
  Top Layer w0.2: v1(29.718,37.592) 29.718,39.484 32.4,42.166 J6.10@32.4,43.688
  Bottom Layer w0.2: v1(29.718,37.592) 29.718,32.686 30.48,31.924 30.48,25.39 30.597,25.273 R7.1@31.175,25.273
SIM_VCC: C5.2 J5.1 J6.8 R6.2 TVS2.3 | length 44.6
  Top Layer w0.2: v1(30.734,37.465) 30.734,40.005 32.9,42.171 J6.8@32.9,43.775
  Mid Layer 3 w0.2: v1(30.735,21.234) 31.75,22.25 31.75,28.194 30.611,29.333 30.611,32.096 30.611,37.274 30.734,37.397 v1(30.734,37.465)
  Bottom Layer w0.2: v1(30.735,21.234) 31.715,21.234 R6.2@31.75,21.269 C5.2@31.75,19.871 32.636,19.871 33.028,19.479 TVS2.3@33.028,19.134 33.028,17.608 33.331,17.305 43.749,17.305 44.984,18.54 J5.1@46.9,18.54
TX_P: J6.64 RR2.9 | length 6.6
  Top Layer w0.2: J6.64@18.9,43.775 18.9,46.671 18.829,46.742 18.829,48.74 19.238,49.149 v1(19.304,49.149)
  Bottom Layer w0.2: RR2.9@18.403,49.081 18.437,49.115 19.27,49.115 v1(19.304,49.149)
V+: DS1.1 DS1.2 J1.2 J10.7 | length 43.5
  Top Layer w2: v2@7.361,95.5 10.659,92.202 13.228,92.202 14.4,93.374 J1.2@14.4,95.75 v2@14.4,99.138
  Bottom Layer w2: J10.7@1.4,77.76 1.818,77.76 4.5,80.442 4.5,94.328 5.672,95.5 v2(7.5,95.5) ; v2(14.351,99.187) 12.415,97.251 DS1.2@12.415,94.682 DS1.1@14.385,94.682
VBAT: C2.2 DS2.1 DS2.2 J3.2 J10.3 R2.2 U2.10 | length 51.4
  Top Layer w2: J10.3@1.4,87.92 2.765,87.92 4.761,89.916 25.228,89.916 26.4,91.088 J3.2@26.4,95.75 v2@26.4,99.044
  Bottom Layer w2: DS2.2@24.415,94.682 DS2.1@26.102,94.682 ; v2(26.416,99.06) 26.102,98.746 DS2.1@26.102,94.682 ; 31.62,86.992 28.956,89.656 28.956,93.402 27.676,94.682 DS2.1@26.385,94.682 DS2.1@26.102,94.682
VIO_P: F1.2 J6.2 J6.4 | length 2.3
  Bottom Layer w0.6: F1.2@31.966,47.427 31.966,47.425 32.077,47.425 33.197,46.305 33.197,45.796 v3(33.274,45.719)